# Altium PCB NIMBUS_BASEv2_B.PcbDoc (part 2 of 3) (continued)
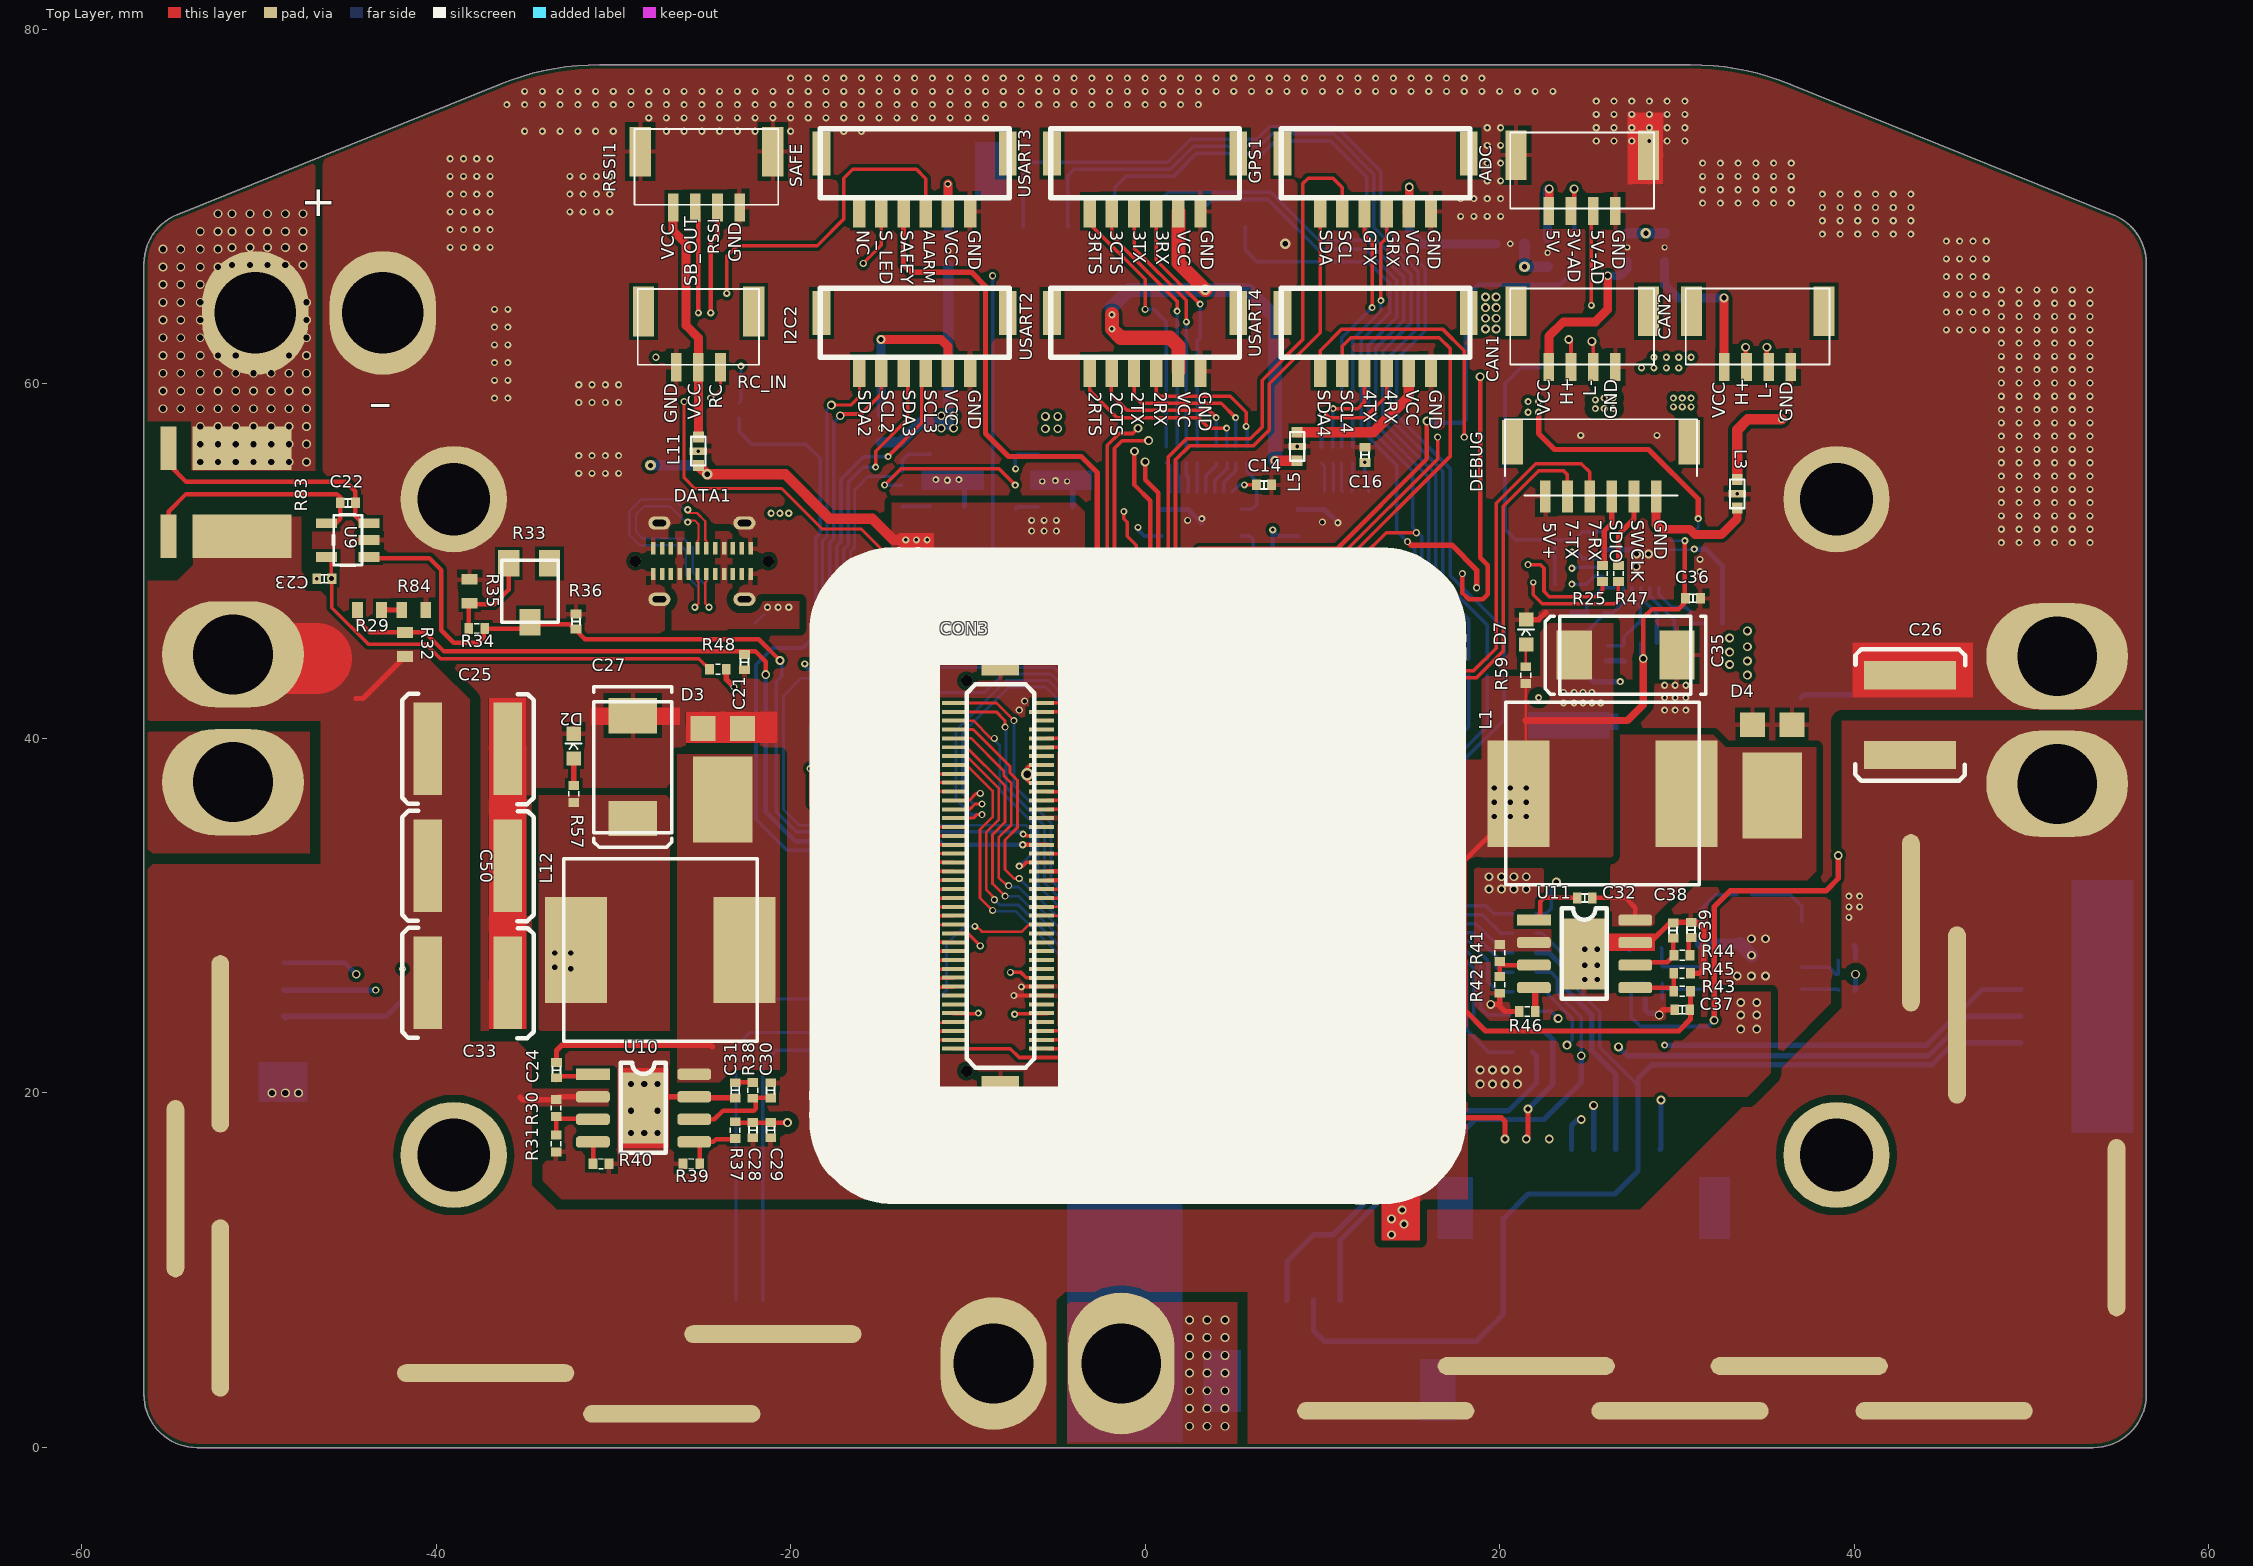
[diagram p0: Top Layer view]
## Nets (pads, with @x,y where several pads share a name; then routed paths per layer and width w, separated by ;. In a path a pad name is that pad's centre, name@x,y a point inside that pad or via, vN(x,y) a via of type N, cw(c..) or ccw(c..) an arc to the next point about the centre after c; other vN are vias at no path point) (continued)
  other v2: 2.5,1.2 3.5,1.2 4.5,1.2 2.5,2.2 3.5,2.2 4.5,2.2 2.5,3.2 3.5,3.2 4.5,3.2 2.5,4.2 3.5,4.2 4.5,4.2 2.5,5.2 3.5,5.2 4.5,5.2 2.5,6.2 3.5,6.2 4.5,6.2 2.5,7.2 3.5,7.2 4.5,7.2 -29,17.75 -28.25,17.75 -27.5,17.75 -29,19 -27.5,19 -29,20.5 -28.25,20.5 -27.5,20.5
  other v3: 24.8,26.4 25.5,26.4 33.4,26.6 34.2,26.6 35,26.6 24.8,27.2 25.5,27.2 24.8,28.1 25.5,28.1 34.2,28.7 35,28.7 27.7,49.7 28.4,50.4
  other v4: -7.1,41.6 -6.8,42.1 -12.6,47.5 -13.1,48.1 10,52.2 2.4,52.3
  other v5: -1.8,26 -1.1,26 -1.8,26.6 -1.1,26.6 -2.2,37.3 -2.2,37.8 33.4,53.8 -5.8,54.5 -4.4,54.5 -25.2,56.2 8.575,56.468 -14.9,57.5 22.7,67.4 -11.1,67.5 27.2,67.7 29.3,67.7 20.6,67.9
  other v6: 7.9,67.9
GPIO_SPI5_MISO: CON3.34
GPIO_SPI5_MOSI: CON3.26
GPIO_SPI5_SCK: CON3.37
GPS1_RX1: GPS1.3 R19.4 | length 14.1
  Top Layer w0.2: v1(13.3,64.7) 13.3,67.9 13.625,68.225 GPS1.3@13.625,69.725
  Bottom Layer w0.2: R19.4@11.7,56.425 11.7,62.493 13.3,64.093 v1(13.3,64.7)
GPS1_TX1: GPS1.4 R19.3 | length 14.2
  Top Layer w0.2: GPS1.4@12.375,69.725 12.375,68.425 12.8,68 v1(12.8,64.3)
  Bottom Layer w0.2: R19.3@11.075,56.425 11.1,56.45 11.1,62.6 v1(12.8,64.3)
GPS1_VCC: GPS1.2 L7.P$2 | length 9.1
  Top Layer w0.5: GPS1.2@14.775,69.725 14.9,69.85 v3(14.9,71.1)
  Bottom Layer w0.5: v3(14.9,71.1) 14.9,68.6 15.6,67.9 L7.P$2@19.8,67.9
GPS2_VCC: L5.P$2 USART4.2 | length 8.6
  Top Layer w0.6: L5.P$2@8.575,57.268 12.868,57.268 14.875,59.275 USART4.2@14.875,60.725
I2C2_VCC: I2C2.2 L10.P$2 | length 9.5
  Top Layer w0.5: v3(-14.9,62.5) -11.5,62.5 -11.125,62.125 I2C2.2@-11.125,60.725
  Bottom Layer w0.5: L10.P$2@-14.9,58.3 v3(-14.9,62.5)
I2C_2_SCL: CON3.78 I2C2.5 SB_BATT.4 | length 70.7
  Top Layer w0.2: v3@-17.2,58.3 -16,58.3 -14.875,59.425 I2C2.5@-14.875,60.725 ; v1@-12.2,23.474 v1(-12.196,23.478) CON3.78@-10.819,23.478
  Signal Layer 1 w0.2: v1(-17.9,44.8) -17.9,44.093 -18.697,43.295 -19.605,43.295 -20.815,42.085 -20.815,32.659 -16.63,28.474 -16.63,28.397 -16.63,27.061 -13.033,23.464 -12.209,23.464 v1(-12.196,23.478)
  Bottom Layer w0.2: SB_BATT.4@-21.575,8.3 -21.575,21.625 -20.8,22.4 -12.493,22.4 -12.2,22.4 -11.8,22.8 -11.8,23.055 -12.209,23.464 v1(-12.196,23.478) ; v1(-17.9,44.8) -17.8,44.9 -17.8,51.008 -17.555,51.253 -17.555,57.845 v3(-17.2,58.2)
I2C_2_SDA: CON3.79 I2C2.6 SB_BATT.3 | length 72.2
  Top Layer w0.17: v3@-17.8,58.8 -16.6,58.8 -16.125,59.275 I2C2.6@-16.125,60.725 ; v1@-12.696,22.978 CON3.79@-10.819,22.978
  Top Layer w0.2: v1(-12.7,22.9) -12.7,22.974 v1@-12.696,22.978
  Signal Layer 1 w0.17: v1(-18.4,44.3) -18.4,44.214 -18.934,43.68 -19.82,43.68 -21.2,42.3 -21.2,32.5 -17.015,28.315 -17.015,26.902 -17.015,26.825 -13.09,22.9 v1(-12.7,22.9)
  Bottom Layer w0.17: SB_BATT.3@-23.075,8.3 -23.075,22.625 -22.3,23.4 -13.2,23.4 v1(-12.7,22.9) ; v1(-18.4,44.3) -18.452,44.3 -18.385,44.367 -18.385,45.001 -18.2,45.186 -18.2,51.153 -17.94,51.413 -17.94,58.56 v3(-17.7,58.8)
I2C_3_SCL: CON3.76 I2C2.3 | length 54.7
  Top Layer w0.2: v1(-14.5,55.9) -12.6,57.8 -12.6,60.5 I2C2.3@-12.375,60.725 ; CON3.76@-10.819,24.482 v1@-9.582,24.482
  Signal Layer 1 w0.2: v1(-19.2,44.2) -19.334,44.065 -19.979,44.065 -21.585,42.459 -21.585,32.263 -17.4,28.078 -17.4,26.742 -17.4,26.666 -13.134,22.4 -11.831,22.4 -11.231,23 -9.931,23 -9.4,23.531 v1(-9.4,24.5)
  Bottom Layer w0.2: v1(-19.2,44.2) -19.2,44.1 -18.9,43.8 -17.8,43.8 -17.4,44.2 -17.4,50.843 -17.155,51.088 -17.155,54.611 -15.866,55.9 v1(-14.5,55.9)
I2C_3_SDA: CON3.77 I2C2.4 | length 46.5
  Top Layer w0.154: v1@-12.696,23.969 CON3.77@-10.819,23.969
  Top Layer w0.2: v1(-15.2,55.3) -15.2,56.2 -13.4,58 -13.4,60.5 I2C2.4@-13.625,60.725 ; v1(-12.7,23.964) v1@-12.696,23.969
  Signal Layer 1 w0.154: v1(-16.9,44.6) -16.9,44.3 -18.282,42.918 -19.448,42.918 -20.438,41.929 -20.438,32.816 -16.253,28.631 -16.253,27.218 -13,23.964 v1(-12.7,23.964)
  Bottom Layer w0.2: v1(-16.9,44.6) -16.6,44.9 -16.6,45.681 -17,46.081 -17,50.677 -16.755,50.922 -16.755,54.445 -15.9,55.3 v1(-15.2,55.3)
I2C_4_SCL: CON3.2 USART4.5 | length 63.9
  Top Layer w0.2: CON3.2@-5.852,22.998 -1.002,22.998 0.8,24.8 0.8,32.066 2.1,33.366 2.1,44.9 2.6,45.4 2.6,49.1 3.373,49.873 11.173,49.873 17.2,55.9 17.2,62 16.6,62.6 11.6,62.6 11.125,62.125 USART4.5@11.125,60.725
I2C_4_SDA: CON3.3 USART4.6 | length 66.8
  Top Layer w0.2: CON3.3@-5.852,23.498 -1.067,23.498 0.4,24.966 0.4,32.231 1.7,33.531 1.7,45.066 2.2,45.566 2.2,49.266 3.207,50.273 11.007,50.273 16.5,55.766 v4(16.5,57) ; USART4.6@9.875,60.725 9.875,61.875 11.091,63.091 16.774,63.091 18,61.866 v4(18,57)
  Signal Layer 1 w0.2: v4(16.5,57) v4(18,57)
I2C_SCL1_GPS: CON3.19 GPS1.5 | length 52.9
  Top Layer w0.2: CON3.19@-5.502,31.492 -3.704,31.492 -1.4,33.796 -1.4,34.77 0.8,36.97 0.8,49.639 1.313,50.152 1.313,55.879 2.334,56.9 5.934,56.9 6.6,57.566 6.6,60.2 8.9,62.5 8.9,71.3 9.2,71.6 10.6,71.6 11.125,71.075 GPS1.5@11.125,69.725
I2C_SDA1_GPS: CON3.18 GPS1.6 | length 48.3
  Top Layer w0.2: CON3.18@-5.502,30.984 -3.646,30.984 -1,33.63 -1,34.605 1.2,36.805 1.2,49.473 1.713,49.987 1.713,55.713 2.5,56.5 6.1,56.5 7,57.4 7,60 9.875,62.875 GPS1.6@9.875,69.725
IO1_3V3: C13.2 C15.2 C46.1 C63.2 C65.2 C66.1 R8.2 R21.2 U5.2 U5.10 U6.2 U6.10 U16.1 U16.2 U17.8 U19.2 U19.10 | length 96.7
  Top Layer w0.2: v1(-14.696,54.296) -13.793,55.2 -8.232,55.2 v1(-7.325,54.293)
  Top Layer w0.4: v3(12.7,34.2) 12.7,41.6 v3(13.7,42.6)
  Signal Layer 1 w0.2: v1(-7.325,54.293) -6.301,53.269 -2.066,53.269 -1.9,53.103 -1.9,52.3 -1.5,51.9 v1(-0.4,51.9) 0,51.5 6.938,51.5 v1(7.2,51.762)
  Signal Layer 1 w0.3: v3(13.7,42.6) 15,42.6 15.5,43.1 15.5,48.094 15.35,48.244 15.35,49.85 14.782,50.418 v3(14.382,50.418)
  Signal Layer 1 w0.4: v3(10.6,21.65) 10.6,23.4 11.204,24.004 ; v3(12.7,34.2) 10.4,34.2 9.4,33.2 9.4,30.419 11.204,28.616 11.204,24.004 ; v3(14.896,24.004) 14.893,24 11.851,24 11.848,24.004 11.204,24.004
  Bottom Layer w0.2: v1(-14.696,54.296) -14.693,54.293 R8.2@-13.725,54.293 ; v1(-0.4,51.9) C15.2@-0.4,51.762 -0.056,51.418 U6.10@0.925,51.418 ; U6.2@4.925,50.418 4.925,48.875 5.2,48.6 5.2,47.907 4.7,47.407 4.7,46.9 5.1,46.5 5.5,46.5 6.4,47.4 9.7,47.4 ; v1(7.2,51.762) 7.544,51.418 U5.10@8.625,51.418 ; v3(12.7,34.2) 12.725,34.225 C63.2@12.725,36.6 12.747,36.622 U19.2@12.747,37.755 ; v3(13.7,42.6) 13.747,42.553 U19.10@13.747,41.755 ; U16.2@13.896,26.048 13.896,25.204 14,25.1 14.896,25.1
  Bottom Layer w0.254: v1(7.2,51.762) 7.2,49.9 9.7,47.4 ; 9.727,47.373 11.773,47.373 12.625,48.225 U5.2@12.625,50.418 v3(14.382,50.418)
  Bottom Layer w0.35: v3(14.896,24.004) 14.896,25.1
IO-CH1: CON3.41 U16.10 | length 33.7
  Top Layer w0.154: CON3.41@-10.769,42.002 -8.39,42.002 -7.4,41.012 v4(-7.4,41)
  Bottom Layer w0.17: v4(-7.4,41) -7.4,37.335 -5.3,35.235 -5.3,32 -3.35,30.05 U16.10@13.896,30.05
IO-CH2: CON3.42 U16.9 | length 33.7
  Top Layer w0.17: CON3.42@-10.769,41.502 -8.402,41.502 -7.9,41 v4(-7.9,40.642)
  Bottom Layer w0.17: v4(-7.9,40.642) -7.838,40.58 -7.838,37.25 -5.67,35.082 -5.67,31.847 -3.374,29.55 U16.9@13.896,29.55
IO-CH3: CON3.43 U16.8 | length 33.1
  Top Layer w0.154: CON3.43@-10.769,41.002 -9.69,41.002 -8.688,40 v4(-8.5,40)
  Bottom Layer w0.154: v4@-8.6,40 -8.2,39.6 -8.2,37.1 -6.032,34.932 -6.032,31.697 -3.386,29.05 U16.8@13.896,29.05
IO-CH4: CON3.44 U16.7 | length 33.8
  Top Layer w0.17: CON3.44@-10.769,40.502 -9.702,40.502 -7.615,38.415 -7.615,38.053 -7.285,37.723 -7.285,37.717 -7.19,37.622 -7.19,34.982 -7.9,34.272 -7.9,32.6 -7.4,32.1 v4(-7.1,32.1)
  Bottom Layer w0.17: v4(-7.1,32.1) -3.55,28.55 U16.7@13.896,28.55
IO-CH5: CON3.45 U16.6 | length 33.9
  Top Layer w0.15: CON3.45@-10.769,40.002 -9.802,40.002 -7.975,38.175 -7.975,37.904 -7.645,37.574 -7.645,37.568 -7.55,37.473 -7.55,35.131 -8.26,34.421 -8.26,32.16 -7.8,31.7 v4(-7.7,31.7)
  Bottom Layer w0.17: v4(-7.7,31.7) -7.615,31.615 -7.138,31.615 -3.704,28.18 11.708,28.18 11.838,28.05 U16.6@13.896,28.05
IO-CH6: CON3.46 U16.5 | length 33.7
  Top Layer w0.15: CON3.46@-10.769,39.502 -10.068,39.502 -7.995,37.429 -7.995,37.423 -7.9,37.328 -7.9,35.276 -8.61,34.566 -8.61,31.81 v4@-8,31.2
  Bottom Layer w0.15: v4(-7.9,31.1) -7.132,31.1 -3.853,27.82 11.559,27.82 11.841,27.538 13.105,27.538
  Bottom Layer w0.17: 13.105,27.538 U16.5@13.896,27.538
IO-CH7: CON3.47 U16.4 | length 34.1
  Top Layer w0.15: CON3.47@-10.769,39.002 -10.068,39.002 -8.675,37.609 -8.675,37.604 -8.25,37.179 -8.25,35.421 -8.96,34.711 -8.96,31.46 v4@-8.4,30.9
  Bottom Layer w0.17: v4(-8.5,30.9) -8.215,30.615 -7.156,30.615 -4.002,27.46 11.409,27.46 11.831,27.038 U16.4@13.896,27.038
IO-CH8: CON3.48 U16.3 | length 34
  Top Layer w0.15: CON3.48@-10.769,38.502 -10.068,38.502 -8.6,37.034 -8.6,35.566 -9.31,34.856 -9.31,31.01 v4(-8.6,30.3)
  Bottom Layer w0.15: v4(-8.6,30.3) -8.555,30.255 -7.306,30.255 -4.151,27.1 11.26,27.1 11.83,26.53 U16.3@13.783,26.53
MAIN1: "MAIN OUT.9" Left.3 R79.2 Right.3 | length 133.6
  Signal Layer 1 w0.3: v4(-43.4,25.8) -43.375,25.825 -36.097,25.825 -35.475,25.203 -35.475,18.603 -31.097,14.225 12.825,14.225 13.4,14.8 17.7,14.8 18.3,15.4 21.7,15.4 23.1,16.8 25.5,16.8 27,18.3 27,19.9 ; v3(23.2,31.9) 23.2,25.6 23.8,25 25.5,25 26.7,23.8 26.7,21.9 27,21.6 27,19.9 ; v3(29.1,19.6) 27.3,19.6 27,19.9
  Bottom Layer w0.2: R79.2@22.075,30.102 22.602,30.102 22.9,30.4 22.9,31.6 v3(23.2,31.9)
  Bottom Layer w0.3: Left.3@-48.6,25.837 -48.563,25.8 v4(-43.4,25.8) ; v3(26.7,22.6) 27.2,22.1 44.193,22.1 46.429,24.337 Right.3@49.4,24.337 ; 29.054,16.819 29.1,16.865 v3(29.1,19.6)
MAIN2: "MAIN OUT.8" R60.2 Right.2 V_TAIL.3 | length 69.8
  Bottom Layer w0.2: R60.2@22.075,29.002 22.398,29.002 24.15,27.25 24.15,26.086 25.65,24.586 25.65,22.586 27.804,20.432 27.804,16.819
  Bottom Layer w0.3: V_TAIL.3@9.5,8.3 9.5,6.6 10.1,6 18.7,6 20.2,7.5 20.2,12.9 21.6,14.3 26.5,14.3 27.804,15.604 27.804,16.504 27.8,16.5 27.8,16.815 ; 27.804,16.819 27.8,16.815 ; Right.2@49.4,22.837 45.637,22.837 44.4,21.6 28.6,21.6 27.8,20.8 27.8,16.815
MAIN3: "MAIN OUT.7" R52.2 | length 13.4
  Bottom Layer w0.3: R52.2@22.075,27.902 22.798,27.902 23.7,27 23.7,25.9 25.2,24.4 25.2,22.4 26.554,21.046 26.554,16.819
MAIN4: "MAIN OUT.6" R51.2 V_TAIL.4 | length 34.1
  Signal Layer 1 w0.3: v3@24.6,22.2 v3(24.6,22.1) 24.6,21.5 25.3,20.8 v3(25.3,19.3)
  Bottom Layer w0.2: R51.2@22.075,26.802 22.898,26.802 23.25,26.45 23.25,25.616 24.6,24.266 v3(24.6,22.1)
  Bottom Layer w0.3: V_TAIL.4@11,8.3 11,11.693 14.507,15.2 15.3,15.2 18.6,18.5 22.5,18.5 24.6,20.6 v3(24.6,22.1) ; 25.304,16.819 v3@25.304,19.3
MAIN5: "MAIN OUT.5" R50.2 | length 14.8
  Signal Layer 1 w0.3: v3(23.8,22.7) 23.8,23.3 24.1,23.6 24.9,23.6 25.6,22.9 25.6,21.528 25.925,21.203 25.925,18.797 25.628,18.5 v3(24.6,18.5)
  Bottom Layer w0.2: R50.2@22.075,25.702 22.598,25.702 24.1,24.2 24.1,23 v3(23.8,22.7)
  Bottom Layer w0.3: 24.054,16.819 24.054,18.154 24.4,18.5 v3(24.6,18.5)
MAIN6: "MAIN OUT.4" Left.2 R49.2 | length 95.2
  Signal Layer 1 w0.25: v3(-44.5,26.7) -42.9,26.7 -42.5,26.3 -35.9,26.3 -35,25.4 -35,18.8 -30.9,14.7 12.628,14.7 13.203,15.275 17.275,15.275 18.1,16.1 21.5,16.1 v3(22.8,17.4) 25.2,17.4 26.4,18.6 26.4,21.4 26.1,21.7 26.1,23.5 25.4,24.2 v3(23.3,24.2)
  Bottom Layer w0.2: R49.2@22.075,24.602 22.898,24.602 v3(23.3,24.2)
  Bottom Layer w0.25: Left.2@-48.6,27.337 -45.137,27.337 v3(-44.5,26.7)
MAIN7: "MAIN OUT.3" R15.2 | length 18.2
  Top Layer w0.3: v3(21.5,17.4) 21.6,17.5 v3(21.6,19.1)
  Signal Layer 1 w0.3: v3(11.8,15.4) 11.8,15.6 12.075,15.875 17.203,15.875 17.928,16.6 20.7,16.6 v3(21.5,17.4)
  Bottom Layer w0.3: v3(21.6,19.1) 23,20.5 23,23 22.5,23.5 R15.2@21.85,23.5
MAIN8: "MAIN OUT.2" R4.2 V_TAIL.2 | length 27
  Top Layer w0.3: v3(17.1,18.6) 20.1,18.6 20.3,18.4 v3(20.3,17.4)
  Bottom Layer w0.3: V_TAIL.2@8,8.3 8,10.5 9.5,12 10.6,12 14.3,15.7 14.9,15.7 17.1,17.9 v3(17.1,18.6) 17.5,19 20.5,19 22.075,20.575 22.075,22.075 R4.2@21.85,22.3
MO_S1: R79.1 U16.14 | length 3.5
  Bottom Layer w0.2: U16.14@17.399,30.55 19.225,30.55 19.674,30.102 R79.1@20.725,30.102
MO_S2: R60.1 U16.15 | length 3.8
  Bottom Layer w0.2: U16.15@17.399,30.05 19.025,30.05 20.073,29.002 R60.1@20.725,29.002
MO_S3: R52.1 U16.16 | length 4
  Bottom Layer w0.2: U16.16@17.399,29.55 18.65,29.55 20.298,27.902 R52.1@20.725,27.902
MO_S4: R51.1 U16.17 | length 4.6
  Bottom Layer w0.2: U16.17@17.399,29.05 18.45,29.05 19.8,27.7 19.8,27.1 20.098,26.802 R51.1@20.725,26.802
MO_S5: R50.1 U16.18 | length 5.2
  Bottom Layer w0.2: U16.18@17.399,28.55 18.25,28.55 19.331,27.469 19.331,26.269 19.898,25.702 R50.1@20.725,25.702
MO_S6: R49.1 U16.19 | length 6.3
  Bottom Layer w0.2: U16.19@17.399,28.05 18.081,28.05 18.931,27.201 18.931,24.791 19.322,24.4 20.524,24.4 R49.1@20.725,24.602
MO_S7: R15.1 U16.20 | length 6.6
  Bottom Layer w0.2: U16.20@17.399,27.546 18.019,27.546 18.531,27.035 18.531,24.269 19.298,23.502 R15.1@20.725,23.502
MO_S8: R4.1 U16.21 | length 7.2
  Bottom Layer w0.2: U16.21@17.399,27.038 17.962,27.038 18.131,26.869 18.131,23.569 19.398,22.302 R4.1@20.725,22.302
NetC3_1: C3.1 R5.2 R11.1 U1.4 | length 4.8
  Bottom Layer w0.2: C3.1@26.1,45.225 26.95,45.225 R5.2@27,45.275 27,45.7 27.8,46.5 R11.1@27.925,46.5 27.925,47.41 27.466,47.869 U1.4@27.466,48.5
NetC4_1: C4.1 R13.1 R14.2 U1.5 | length 5.4
  Bottom Layer w0.2: C4.1@24,45.225 24.95,45.225 R13.1@25,45.275 25,46.1 25.875,46.975 R14.2@25.875,47.1 26.4,47.1 26.966,47.666 U1.5@26.966,48.5
NetC12_1: C12.1 R12.1 R17.2 U1.2 | length 4.7
  Bottom Layer w0.2: U1.2@28.465,48.5 28.465,48.035 29.841,46.66 R12.1@29.841,46.5 29.841,45.416 R17.2@29.8,45.375 30.75,45.375 C12.1@30.8,45.325
NetC23_2: C23.2 R48.1 U9.5 | length 25.7
  Top Layer w0.2: U9.5@-46.175,50.236 -45.9,49.961 v3(-45.9,49.025) ; C23.2@-45.875,49 -45.875,47.375 -43.8,45.3 -40.55,45.3 -39.75,44.5 -25.175,44.5 R48.1@-24.575,43.9
NetC24_1: C24.1 U10.1 | length 2.4
  Top Layer w0.254: C24.1@-33.226,20.725 -33.007,20.944 -31.081,20.944 U10.1@-31.081,21.086
NetC30_1: C30.1 R38.1 U10.6 | length 5.4
  Top Layer w0.254: U10.6@-25.434,18.514 -24.3,18.514 -23.807,19.006 -22.064,19.006 -21.97,19.1 -21.97,19.594 R38.1@-22.101,19.725 ; R38.1@-22.126,19.7 R38.1@-22.101,19.725 ; C30.1@-21.126,19.725 R38.1@-22.101,19.725
NetC31_1: C31.1 R38.2 | length 1
  Top Layer w0.254: C31.1@-23.126,20.575 -23.101,20.6 R38.2@-22.126,20.6
NetC32_1: C32.1 U11.1 | length 3.4
  Top Layer w0.254: U11.1@21.932,29.754 22.3,30.122 22.3,30.8 22.5,31 C32.1@24.375,31
NetC38_1: C38.1 R44.1 U11.6 | length 3.5
  Top Layer w0.254: U11.6@27.647,27.214 27.647,27.376 29.454,27.376 R44.1@29.843,27.765 29.785,27.823 C38.1@29.785,28.737
NetC39_1: C39.1 R44.2 | length 1
  Top Layer w0.254: C39.1@30.674,28.737 30.674,27.834 R44.2@30.743,27.765
NetC47_1: C47.1 U17.3 | length 0.9
  Bottom Layer w0.3: C47.1@6,23.275 6.02,23.255 U17.3@6.906,23.255
NetC48_1: C48.1 U13.1 | length 4
  Bottom Layer w0.2: C48.1@34.211,31.187 36.386,31.187 37.04,30.532 U13.1@37.04,29.672
NetC54_1: C54.1 R54.1 U13.6 | length 3.2
  Bottom Layer w0.2: C54.1@29.111,28.187 29.136,28.162 R54.1@29.136,27.187 29.191,27.132 U13.6@31.325,27.132
NetC55_1: C55.1 R54.2 | length 0.9
  Bottom Layer w0.2: C55.1@27.386,27.162 27.411,27.187 R54.2@28.236,27.187
NetD2_1: D2.1 R57.2 | length 1.5
  Top Layer w0.3: R57.2@-32.225,37.343 D2.1@-32.225,38.868
NetD6_1: D6.1 R58.2 | length 1.1
  Bottom Layer w0.3: R58.2@41.594,42.461 D6.1@42.719,42.461
NetD7_1: D7.1 R59.2 | length 1.3
  Top Layer w0.15: R59.2@21.475,44.043 21.475,45.275 D7.1@21.5,45.3
NetDEBUG_1: DEBUG.1 L3.P$2 | length 7.4
  Top Layer w0.5: DEBUG.1@28.825,53.65 28.825,52.075 29.099,51.801 30.72,51.801 31.02,51.5 32.5,51.5 33.4,52.4 L3.P$2@33.4,53
NetR1_1: R1.1 R2.1 U13.3 | length 3.1
  Bottom Layer w0.2: U13.3@37.04,27.132 37.086,27.087 38.586,27.087 38.986,26.687 39.111,26.687 R1.1@39.111,27.487
NetR3_2: R3.2 R14.1 U1.6 | length 3.3
  Bottom Layer w0.2: R14.1@24.925,47.1 24.925,47.625 25.8,48.5 U1.6@26.466,48.5
  Bottom Layer w0.3: R3.2@24.075,47.1 R14.1@24.925,47.1
NetR9_1: R9.1 R11.2 U1.3 | length 3.5
  Bottom Layer w0.2: U1.3@27.966,48.5 27.966,47.935 28.875,47.025 R11.2@28.875,46.5
  Bottom Layer w0.254: R9.1@28.875,45.4 R11.2@28.875,46.5
NetR10_1: R10.1 R12.2 U1.1 | length 4.1
  Bottom Layer w0.2: U1.1@28.966,48.5 28.966,48.135 29.7,47.4 30.5,47.4 30.791,47.11 R12.2@30.791,46.5 R10.1@31.625,46.5
NetR19_5: R19.5 U5.17 | length 1.6
  Bottom Layer w0.17: U5.17@11.625,53.918 11.69,53.983 11.69,55.515 R19.5@11.7,55.525
NetR19_6: R19.6 U5.16 | length 1.6
  Bottom Layer w0.17: R19.6@11.075,55.525 11.075,53.968 U5.16@11.125,53.918
NetR19_7: R19.7 U5.15 | length 1.6
  Bottom Layer w0.17: R19.7@10.575,55.525 10.625,55.475 U5.15@10.625,53.918
NetR19_8: R19.8 U5.14 | length 1.7
  Bottom Layer w0.17: R19.8@9.95,55.525 10.125,55.35 U5.14@10.125,53.918
NetR27_1: R27.1 U6.20 | length 3.6
  Bottom Layer w0.2: U6.20@5.425,52.918 6.018,52.918 6.3,53.2 6.3,54.5 5.75,55.05 R27.1@5.75,55.561
NetR27_2: R27.2 U6.18 | length 1.9
  Bottom Layer w0.2: U6.18@4.425,53.918 4.425,54.425 5.125,55.125 R27.2@5.125,55.561
NetR27_3: R27.3 U6.17 | length 1.9
  Bottom Layer w0.2: U6.17@3.925,53.918 3.925,54.549 4.625,55.25 R27.3@4.625,55.561
NetR27_4: R27.4 U6.16 | length 1.9
  Bottom Layer w0.2: U6.16@3.425,53.918 3.425,54.825 4,55.4 R27.4@4,55.561
NetR29_1: R29.1 R32.1 | length 1.5
  Top Layer w0.3: -42.75,47.25 -43.074,47.25 -43.072,47.248 R32.1@-41.925,47.248
NetR30_1: R30.1 R31.1 U10.3 | length 3.2
  Top Layer w0.254: R31.1@-33.226,17.625 R30.1@-33.226,18.675 -33.097,18.546 U10.3@-31.081,18.546
NetR33_1: R33.1 R34.1 R35.2 | length 5.5
  Top Layer w0.254: R34.1@-38.15,46.2 R35.2@-38.15,47.577 ; R35.2@-38.102,47.625 R35.2@-38.15,47.577 ; R33.1@-35.9,49.875 -35.9,48.4 -36.724,47.577 R35.2@-38.15,47.577
NetR40_1: R40.1 U10.4 | length 1.4
  Top Layer w0.254: R40.1@-31.12,15.9 -31.12,17.236 U10.4@-31.081,17.276
NetR41_1: R41.1 R42.1 U11.3 | length 2.9
  Top Layer w0.254: R42.1@20,26.575 R41.1@20,27.425 20.211,27.214 U11.3@21.932,27.214
NetR46_1: R46.1 U11.4 | length 1.4
  Top Layer w0.35: U11.4@21.932,25.944 22.007,25.868 R46.1@22.007,24.598
NetR56_1: R56.1 U13.4 | length 2.1
  Bottom Layer w0.2: U13.4@37.04,25.862 39.061,25.862 R56.1@39.136,25.787
NetR82_1: R82.1 U6.15 | length 1.7
  Bottom Layer w0.2: U6.15@2.925,53.918 2.95,53.943 R82.1@2.95,55.561
NetR82_2: R82.2 U6.14 | length 1.7
  Bottom Layer w0.2: R82.2@2.325,55.561 2.325,54.875 2.425,54.775 U6.14@2.425,53.918
NetR82_3: R82.3 U6.13 | length 1.7
  Bottom Layer w0.2: R82.3@1.825,55.561 1.825,54.875 1.925,54.775 U6.13@1.925,53.918
NetR82_4: R82.4 U6.12 | length 1.7
  Bottom Layer w0.2: R82.4@1.2,55.561 1.4,55.361 1.4,53.943 U6.12@1.425,53.918
NPOWER_IN_A: CON3.28 R6.2 U1.7 | length 45.4
  Top Layer w0.2: CON3.28@-5.502,36.004 -3.396,36.004 -3.1,36.3 v1(-3.1,36.8)
  Signal Layer 1 w0.2: v1(-3.1,36.8) -3.1,38.866 -1.766,40.2 v1(3,40.2) 3.1,40.2 3.2,40.1 4.631,40.1 5.631,41.1 14.631,41.1 14.881,41.35 15.518,41.35 16.95,42.782 16.95,47.704 16.9,47.754 16.9,48.462 16.6,48.762 16.6,49.869 17.831,51.1 22.669,51.1 23.175,50.594 23.175,49.6 v1(24.075,48.7)
  Bottom Layer w0.2: R6.2@24.275,48.7 24.9,48.7 25.35,49.15 U1.7@25.815,49.15
NPOWER_IN_B: CON3.29 R7.2 U1.8 | length 44.5
  Top Layer w0.2: CON3.29@-5.502,36.504 -3.896,36.504 v1(-3.7,36.7)
  Signal Layer 1 w0.2: v1(-3.7,36.7) -3.7,38.831 -1.831,40.7 3.9,40.7 v1(3.95,40.65) 4,40.6 4.566,40.6 5.466,41.5 14.466,41.5 14.716,41.75 15.352,41.75 16.55,42.948 16.55,47.539 16.5,47.589 16.5,48.296 16.2,48.596 16.2,50.034 17.666,51.5 22.834,51.5 23.575,50.759 23.575,50.1 v1(24.075,49.6)
  Bottom Layer w0.2: R7.2@24.275,49.6 24.325,49.65 U1.8@25.815,49.65
NPOWER_IN_C: CON3.30 R20.2 U1.9 | length 43.9
  Top Layer w0.2: CON3.30@-5.502,37.004 -4.296,37.004 v1(-4.2,37.1)
  Signal Layer 1 w0.2: v1(-4.2,37.1) -4.2,38.897 -1.947,41.15 3.45,41.15 3.8,41.5 4.9,41.5 5.3,41.9 14.3,41.9 14.55,42.15 15.186,42.15 16.15,43.114 16.15,47.373 16.1,47.423 16.1,48.13 15.8,48.43 15.8,50.2 17.5,51.9 23,51.9 24.1,50.8 24.1,50.525 v1(24.075,50.5)
  Bottom Layer w0.2: R20.2@24.275,50.5 24.349,50.5 24.699,50.15 U1.9@25.815,50.15
NVDD_5V_HIPOWER_OC: CON3.23 R21.1 U7.5 | length 32
  Top Layer w0.2: CON3.23@-5.502,33.504 -3.65,33.504 -2.708,34.446 -2.708,35.312 -0.508,37.512 -0.508,50.181 -0.5,50.189 -0.5,50.9 -1,51.4 -1,52.2 -1.2,52.4 v1(-1.2,52.8)
  Signal Layer 1 w0.2: v1(-7.3,55.2) -7.3,55.1 -5.869,53.669 -1.9,53.669 -1.2,52.969 v1(-1.2,52.8)
  Bottom Layer w0.2: R21.1@-7.325,55.243 -7.325,55.875 -7.18,56.02 U7.5@-6.034,56.02
NVDD_5V_PERIPH_OC: CON3.22 R8.1 U8.5 | length 45.2
  Top Layer w0.2: v1(-7.1,32.8) -6.9,32.8 -6.696,33.004 CON3.22@-5.502,33.004
  Bottom Layer w0.15: R8.1@-13.725,55.243 -14.197,54.771 -15.629,54.771 -16.38,54.02 -16.38,50.767 -16.6,50.547 -16.6,46.212 -16.225,45.837 -16.225,44.507 -17.332,43.4 -19.4,43.4 -20.4,42.4 -20.4,36 -19.5,35.1 -6.705,35.1 -6.407,34.801 -6.407,33.493 v1(-7.1,32.8)
  Bottom Layer w0.2: R8.1@-13.7,55.075 -13.7,55.7 -13.362,56.038 U8.5@-12.134,56.038
OTG_N: CON3.17 DATA1.A7 DATA1.B7 | length 82.6
  Top Layer w0.125: v1@-25.816,52.717 -25.281,52.717 -24.811,52.246 -24.811,51.198 -24.75,51.137 DATA1.A7@-24.75,50.725 ; v1(-25.4,47.4) -25.19,47.61 -25.19,48.802 -25.25,48.863 DATA1.B7@-25.25,49.275 ; CON3.17@-5.502,30.502 -4.881,30.502 -4.817,30.437 -2.663,30.437 -0.7,32.4 -0.7,32.7 v1(-0.8,32.8)
  Signal Layer 1 w0.125: v1(-25.8,52.9) -25.364,52.9 -24.621,52.157 -24.621,50.643 -25.8,49.464 -25.8,46.649 -25.43,46.279 -17.389,46.279 -16.551,45.442 -16,44.89 -16,44 -17.8,42.2 -19,42.2 -19.72,41.48 -19.72,33.32 -15.535,29.135 -15.535,27.515 -13.174,25.154 -12.182,25.154 -11.036,26.3 -10.157,27.179 -9.257,27.179 -8.6,27.836 -8.6,28.4 -8.342,28.658 -8.342,29.807 -6.107,32.042 -6.094,32.042 -6.057,32.079 -1.121,32.079 -0.8,32.4 v1(-0.8,32.8)
  Bottom Layer w0.125: v1(-25.8,52.9) -26,52.9 -26.579,53.479 -28.421,53.479 -29.1,52.8 -29.1,51.5 -28.5,50.9 -26.2,50.9 -25.9,50.6 -25.9,49.21 -25.19,48.5 -25.19,47.61 v1(-25.4,47.4)